# KiCad board hologram v3.kicad_pcb (continued)
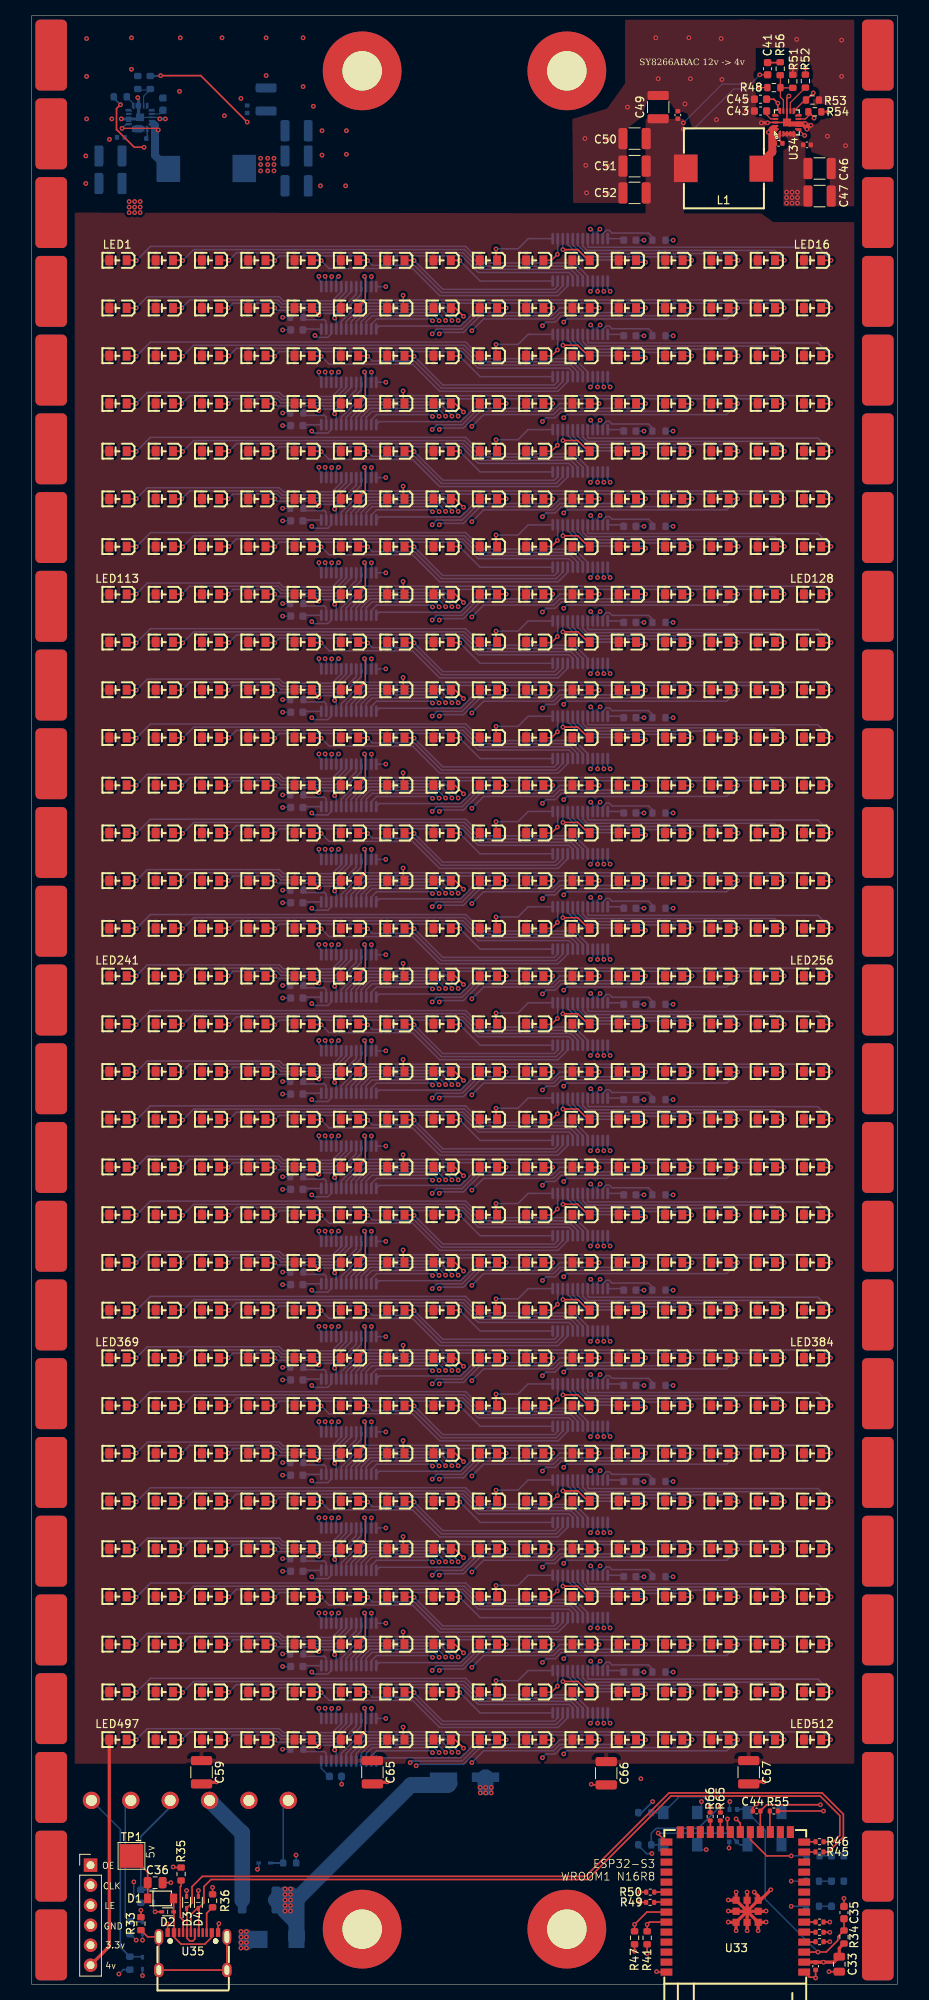
[diagram p0: board, top side]
## Placement (name value [footprint] x y rotation side) (continued)
LED252  0805G (Green)  [LED0805-RD-flipped]  75.59 128.03 0 top
LED253  0805G (Green)  [LED0805-RD-flipped]  81.47 128.03 0 top
LED254  0805G (Green)  [LED0805-RD-flipped]  87.35 128.03 0 top
LED255  0805G (Green)  [LED0805-RD-flipped]  93.24 128.03 0 top
LED256  0805G (Green)  [LED0805-RD-flipped]  99.12 128.03 0 top
LED257  0805G (Green)  [LED0805-RD-flipped]  10.88 121.97 0 top
LED258  0805G (Green)  [LED0805-RD-flipped]  16.76 121.97 0 top
LED259  0805G (Green)  [LED0805-RD-flipped]  22.65 121.97 0 top
LED260  0805G (Green)  [LED0805-RD-flipped]  28.53 121.97 0 top
LED261  0805G (Green)  [LED0805-RD-flipped]  34.41 121.97 0 top
LED262  0805G (Green)  [LED0805-RD-flipped]  40.29 121.97 0 top
LED263  0805G (Green)  [LED0805-RD-flipped]  46.18 121.97 0 top
LED264  0805G (Green)  [LED0805-RD-flipped]  52.06 121.97 0 top
LED265  0805G (Green)  [LED0805-RD-flipped]  57.94 121.97 0 top
LED266  0805G (Green)  [LED0805-RD-flipped]  63.82 121.97 0 top
LED267  0805G (Green)  [LED0805-RD-flipped]  69.71 121.97 0 top
LED268  0805G (Green)  [LED0805-RD-flipped]  75.59 121.97 0 top
LED269  0805G (Green)  [LED0805-RD-flipped]  81.47 121.97 0 top
LED270  0805G (Green)  [LED0805-RD-flipped]  87.35 121.97 0 top
LED271  0805G (Green)  [LED0805-RD-flipped]  93.24 121.97 0 top
LED272  0805G (Green)  [LED0805-RD-flipped]  99.12 121.97 0 top
LED273  0805G (Green)  [LED0805-RD-flipped]  10.88 115.91 0 top
LED274  0805G (Green)  [LED0805-RD-flipped]  16.76 115.91 0 top
LED275  0805G (Green)  [LED0805-RD-flipped]  22.65 115.91 0 top
LED276  0805G (Green)  [LED0805-RD-flipped]  28.53 115.91 0 top
LED277  0805G (Green)  [LED0805-RD-flipped]  34.41 115.91 0 top
LED278  0805G (Green)  [LED0805-RD-flipped]  40.29 115.91 0 top
LED279  0805G (Green)  [LED0805-RD-flipped]  46.18 115.91 0 top
LED280  0805G (Green)  [LED0805-RD-flipped]  52.06 115.91 0 top
LED281  0805G (Green)  [LED0805-RD-flipped]  57.94 115.91 0 top
LED282  0805G (Green)  [LED0805-RD-flipped]  63.82 115.91 0 top
LED283  0805G (Green)  [LED0805-RD-flipped]  69.71 115.91 0 top
LED284  0805G (Green)  [LED0805-RD-flipped]  75.59 115.91 0 top
LED285  0805G (Green)  [LED0805-RD-flipped]  81.47 115.91 0 top
LED286  0805G (Green)  [LED0805-RD-flipped]  87.35 115.91 0 top
LED287  0805G (Green)  [LED0805-RD-flipped]  93.24 115.91 0 top
LED288  0805G (Green)  [LED0805-RD-flipped]  99.12 115.91 0 top
LED289  0805G (Green)  [LED0805-RD-flipped]  10.88 109.85 0 top
LED290  0805G (Green)  [LED0805-RD-flipped]  16.76 109.85 0 top
LED291  0805G (Green)  [LED0805-RD-flipped]  22.65 109.85 0 top
LED292  0805G (Green)  [LED0805-RD-flipped]  28.53 109.85 0 top
LED293  0805G (Green)  [LED0805-RD-flipped]  34.41 109.85 0 top
LED294  0805G (Green)  [LED0805-RD-flipped]  40.29 109.85 0 top
LED295  0805G (Green)  [LED0805-RD-flipped]  46.18 109.85 0 top
LED296  0805G (Green)  [LED0805-RD-flipped]  52.06 109.85 0 top
LED297  0805G (Green)  [LED0805-RD-flipped]  57.94 109.85 0 top
LED298  0805G (Green)  [LED0805-RD-flipped]  63.82 109.85 0 top
LED299  0805G (Green)  [LED0805-RD-flipped]  69.71 109.85 0 top
LED300  0805G (Green)  [LED0805-RD-flipped]  75.59 109.85 0 top
LED301  0805G (Green)  [LED0805-RD-flipped]  81.47 109.85 0 top
LED302  0805G (Green)  [LED0805-RD-flipped]  87.35 109.85 0 top
LED303  0805G (Green)  [LED0805-RD-flipped]  93.24 109.85 0 top
LED304  0805G (Green)  [LED0805-RD-flipped]  99.12 109.85 0 top
LED305  0805G (Green)  [LED0805-RD-flipped]  10.88 103.79 0 top
LED306  0805G (Green)  [LED0805-RD-flipped]  16.76 103.79 0 top
LED307  0805G (Green)  [LED0805-RD-flipped]  22.65 103.79 0 top
LED308  0805G (Green)  [LED0805-RD-flipped]  28.53 103.79 0 top
LED309  0805G (Green)  [LED0805-RD-flipped]  34.41 103.79 0 top
LED310  0805G (Green)  [LED0805-RD-flipped]  40.29 103.79 0 top
LED311  0805G (Green)  [LED0805-RD-flipped]  46.18 103.79 0 top
LED312  0805G (Green)  [LED0805-RD-flipped]  52.06 103.79 0 top
LED313  0805G (Green)  [LED0805-RD-flipped]  57.94 103.79 0 top
LED314  0805G (Green)  [LED0805-RD-flipped]  63.82 103.79 0 top
LED315  0805G (Green)  [LED0805-RD-flipped]  69.71 103.79 0 top
LED316  0805G (Green)  [LED0805-RD-flipped]  75.59 103.79 0 top
LED317  0805G (Green)  [LED0805-RD-flipped]  81.47 103.79 0 top
LED318  0805G (Green)  [LED0805-RD-flipped]  87.35 103.79 0 top
LED319  0805G (Green)  [LED0805-RD-flipped]  93.24 103.79 0 top
LED320  0805G (Green)  [LED0805-RD-flipped]  99.12 103.79 0 top
LED321  0805G (Green)  [LED0805-RD-flipped]  10.88 97.73 0 top
LED322  0805G (Green)  [LED0805-RD-flipped]  16.76 97.73 0 top
LED323  0805G (Green)  [LED0805-RD-flipped]  22.65 97.73 0 top
LED324  0805G (Green)  [LED0805-RD-flipped]  28.53 97.73 0 top
LED325  0805G (Green)  [LED0805-RD-flipped]  34.41 97.73 0 top
LED326  0805G (Green)  [LED0805-RD-flipped]  40.29 97.73 0 top
LED327  0805G (Green)  [LED0805-RD-flipped]  46.18 97.73 0 top
LED328  0805G (Green)  [LED0805-RD-flipped]  52.06 97.73 0 top
LED329  0805G (Green)  [LED0805-RD-flipped]  57.94 97.73 0 top
LED330  0805G (Green)  [LED0805-RD-flipped]  63.82 97.73 0 top
LED331  0805G (Green)  [LED0805-RD-flipped]  69.71 97.73 0 top
LED332  0805G (Green)  [LED0805-RD-flipped]  75.59 97.73 0 top
LED333  0805G (Green)  [LED0805-RD-flipped]  81.47 97.73 0 top
LED334  0805G (Green)  [LED0805-RD-flipped]  87.35 97.73 0 top
LED335  0805G (Green)  [LED0805-RD-flipped]  93.24 97.73 0 top
LED336  0805G (Green)  [LED0805-RD-flipped]  99.12 97.73 0 top
LED337  0805G (Green)  [LED0805-RD-flipped]  10.88 91.67 0 top
LED338  0805G (Green)  [LED0805-RD-flipped]  16.76 91.67 0 top
LED339  0805G (Green)  [LED0805-RD-flipped]  22.65 91.67 0 top
LED340  0805G (Green)  [LED0805-RD-flipped]  28.53 91.67 0 top
LED341  0805G (Green)  [LED0805-RD-flipped]  34.41 91.67 0 top
LED342  0805G (Green)  [LED0805-RD-flipped]  40.29 91.67 0 top
LED343  0805G (Green)  [LED0805-RD-flipped]  46.18 91.67 0 top
LED344  0805G (Green)  [LED0805-RD-flipped]  52.06 91.67 0 top
LED345  0805G (Green)  [LED0805-RD-flipped]  57.94 91.67 0 top
LED346  0805G (Green)  [LED0805-RD-flipped]  63.82 91.67 0 top
LED347  0805G (Green)  [LED0805-RD-flipped]  69.71 91.67 0 top
LED348  0805G (Green)  [LED0805-RD-flipped]  75.59 91.67 0 top
LED349  0805G (Green)  [LED0805-RD-flipped]  81.47 91.67 0 top
LED350  0805G (Green)  [LED0805-RD-flipped]  87.35 91.67 0 top
LED351  0805G (Green)  [LED0805-RD-flipped]  93.24 91.67 0 top
LED352  0805G (Green)  [LED0805-RD-flipped]  99.12 91.67 0 top
LED353  0805G (Green)  [LED0805-RD-flipped]  10.88 85.61 0 top
LED354  0805G (Green)  [LED0805-RD-flipped]  16.76 85.61 0 top
LED355  0805G (Green)  [LED0805-RD-flipped]  22.65 85.61 0 top
LED356  0805G (Green)  [LED0805-RD-flipped]  28.53 85.61 0 top
LED357  0805G (Green)  [LED0805-RD-flipped]  34.41 85.61 0 top
LED358  0805G (Green)  [LED0805-RD-flipped]  40.29 85.61 0 top
LED359  0805G (Green)  [LED0805-RD-flipped]  46.18 85.61 0 top
LED360  0805G (Green)  [LED0805-RD-flipped]  52.06 85.61 0 top
LED361  0805G (Green)  [LED0805-RD-flipped]  57.94 85.61 0 top
LED362  0805G (Green)  [LED0805-RD-flipped]  63.82 85.61 0 top
LED363  0805G (Green)  [LED0805-RD-flipped]  69.71 85.61 0 top
LED364  0805G (Green)  [LED0805-RD-flipped]  75.59 85.61 0 top
LED365  0805G (Green)  [LED0805-RD-flipped]  81.47 85.61 0 top
LED366  0805G (Green)  [LED0805-RD-flipped]  87.35 85.61 0 top
LED367  0805G (Green)  [LED0805-RD-flipped]  93.24 85.61 0 top
LED368  0805G (Green)  [LED0805-RD-flipped]  99.12 85.61 0 top
LED369  0805G (Green)  [LED0805-RD-flipped]  10.88 79.55 0 top
LED370  0805G (Green)  [LED0805-RD-flipped]  16.76 79.55 0 top
LED371  0805G (Green)  [LED0805-RD-flipped]  22.65 79.55 0 top
LED372  0805G (Green)  [LED0805-RD-flipped]  28.53 79.55 0 top
LED373  0805G (Green)  [LED0805-RD-flipped]  34.41 79.55 0 top
LED374  0805G (Green)  [LED0805-RD-flipped]  40.29 79.55 0 top
LED375  0805G (Green)  [LED0805-RD-flipped]  46.18 79.55 0 top
LED376  0805G (Green)  [LED0805-RD-flipped]  52.06 79.55 0 top
LED377  0805G (Green)  [LED0805-RD-flipped]  57.94 79.55 0 top
LED378  0805G (Green)  [LED0805-RD-flipped]  63.82 79.55 0 top
LED379  0805G (Green)  [LED0805-RD-flipped]  69.71 79.55 0 top
LED380  0805G (Green)  [LED0805-RD-flipped]  75.59 79.55 0 top
LED381  0805G (Green)  [LED0805-RD-flipped]  81.47 79.55 0 top
LED382  0805G (Green)  [LED0805-RD-flipped]  87.35 79.55 0 top
LED383  0805G (Green)  [LED0805-RD-flipped]  93.24 79.55 0 top
LED384  0805G (Green)  [LED0805-RD-flipped]  99.12 79.55 0 top
LED385  0805G (Green)  [LED0805-RD-flipped]  10.88 73.48 0 top
LED386  0805G (Green)  [LED0805-RD-flipped]  16.76 73.48 0 top
LED387  0805G (Green)  [LED0805-RD-flipped]  22.65 73.48 0 top
LED388  0805G (Green)  [LED0805-RD-flipped]  28.53 73.48 0 top
LED389  0805G (Green)  [LED0805-RD-flipped]  34.41 73.48 0 top
LED390  0805G (Green)  [LED0805-RD-flipped]  40.29 73.48 0 top
LED391  0805G (Green)  [LED0805-RD-flipped]  46.18 73.48 0 top
LED392  0805G (Green)  [LED0805-RD-flipped]  52.06 73.48 0 top
LED393  0805G (Green)  [LED0805-RD-flipped]  57.94 73.48 0 top
LED394  0805G (Green)  [LED0805-RD-flipped]  63.82 73.48 0 top
LED395  0805G (Green)  [LED0805-RD-flipped]  69.71 73.48 0 top
LED396  0805G (Green)  [LED0805-RD-flipped]  75.59 73.48 0 top
LED397  0805G (Green)  [LED0805-RD-flipped]  81.47 73.48 0 top
LED398  0805G (Green)  [LED0805-RD-flipped]  87.35 73.48 0 top
LED399  0805G (Green)  [LED0805-RD-flipped]  93.24 73.48 0 top
LED400  0805G (Green)  [LED0805-RD-flipped]  99.12 73.48 0 top
LED401  0805G (Green)  [LED0805-RD-flipped]  10.88 67.42 0 top
LED402  0805G (Green)  [LED0805-RD-flipped]  16.76 67.42 0 top
LED403  0805G (Green)  [LED0805-RD-flipped]  22.65 67.42 0 top
LED404  0805G (Green)  [LED0805-RD-flipped]  28.53 67.42 0 top
LED405  0805G (Green)  [LED0805-RD-flipped]  34.41 67.42 0 top
LED406  0805G (Green)  [LED0805-RD-flipped]  40.29 67.42 0 top
LED407  0805G (Green)  [LED0805-RD-flipped]  46.18 67.42 0 top
LED408  0805G (Green)  [LED0805-RD-flipped]  52.06 67.42 0 top
LED409  0805G (Green)  [LED0805-RD-flipped]  57.94 67.42 0 top
LED410  0805G (Green)  [LED0805-RD-flipped]  63.82 67.42 0 top
LED411  0805G (Green)  [LED0805-RD-flipped]  69.71 67.42 0 top
LED412  0805G (Green)  [LED0805-RD-flipped]  75.59 67.42 0 top
LED413  0805G (Green)  [LED0805-RD-flipped]  81.47 67.42 0 top
LED414  0805G (Green)  [LED0805-RD-flipped]  87.35 67.42 0 top
LED415  0805G (Green)  [LED0805-RD-flipped]  93.24 67.42 0 top
LED416  0805G (Green)  [LED0805-RD-flipped]  99.12 67.42 0 top
LED417  0805G (Green)  [LED0805-RD-flipped]  10.88 61.36 0 top
LED418  0805G (Green)  [LED0805-RD-flipped]  16.76 61.36 0 top
LED419  0805G (Green)  [LED0805-RD-flipped]  22.65 61.36 0 top
LED420  0805G (Green)  [LED0805-RD-flipped]  28.53 61.36 0 top
LED421  0805G (Green)  [LED0805-RD-flipped]  34.41 61.36 0 top
LED422  0805G (Green)  [LED0805-RD-flipped]  40.29 61.36 0 top
LED423  0805G (Green)  [LED0805-RD-flipped]  46.18 61.36 0 top
LED424  0805G (Green)  [LED0805-RD-flipped]  52.06 61.36 0 top
LED425  0805G (Green)  [LED0805-RD-flipped]  57.94 61.36 0 top
LED426  0805G (Green)  [LED0805-RD-flipped]  63.82 61.36 0 top
LED427  0805G (Green)  [LED0805-RD-flipped]  69.71 61.36 0 top
LED428  0805G (Green)  [LED0805-RD-flipped]  75.59 61.36 0 top
LED429  0805G (Green)  [LED0805-RD-flipped]  81.47 61.36 0 top
LED430  0805G (Green)  [LED0805-RD-flipped]  87.35 61.36 0 top
LED431  0805G (Green)  [LED0805-RD-flipped]  93.24 61.36 0 top
LED432  0805G (Green)  [LED0805-RD-flipped]  99.12 61.36 0 top
LED433  0805G (Green)  [LED0805-RD-flipped]  10.88 55.3 0 top
LED434  0805G (Green)  [LED0805-RD-flipped]  16.76 55.3 0 top
LED435  0805G (Green)  [LED0805-RD-flipped]  22.65 55.3 0 top
LED436  0805G (Green)  [LED0805-RD-flipped]  28.53 55.3 0 top
LED437  0805G (Green)  [LED0805-RD-flipped]  34.41 55.3 0 top
LED438  0805G (Green)  [LED0805-RD-flipped]  40.29 55.3 0 top
LED439  0805G (Green)  [LED0805-RD-flipped]  46.18 55.3 0 top
LED440  0805G (Green)  [LED0805-RD-flipped]  52.06 55.3 0 top
LED441  0805G (Green)  [LED0805-RD-flipped]  57.94 55.3 0 top
LED442  0805G (Green)  [LED0805-RD-flipped]  63.82 55.3 0 top
LED443  0805G (Green)  [LED0805-RD-flipped]  69.71 55.3 0 top
LED444  0805G (Green)  [LED0805-RD-flipped]  75.59 55.3 0 top
LED445  0805G (Green)  [LED0805-RD-flipped]  81.47 55.3 0 top
LED446  0805G (Green)  [LED0805-RD-flipped]  87.35 55.3 0 top
LED447  0805G (Green)  [LED0805-RD-flipped]  93.24 55.3 0 top
LED448  0805G (Green)  [LED0805-RD-flipped]  99.12 55.3 0 top
LED449  0805G (Green)  [LED0805-RD-flipped]  10.88 49.24 0 top
LED450  0805G (Green)  [LED0805-RD-flipped]  16.76 49.24 0 top
LED451  0805G (Green)  [LED0805-RD-flipped]  22.65 49.24 0 top
LED452  0805G (Green)  [LED0805-RD-flipped]  28.53 49.24 0 top
LED453  0805G (Green)  [LED0805-RD-flipped]  34.41 49.24 0 top
LED454  0805G (Green)  [LED0805-RD-flipped]  40.29 49.24 0 top
LED455  0805G (Green)  [LED0805-RD-flipped]  46.18 49.24 0 top
LED456  0805G (Green)  [LED0805-RD-flipped]  52.06 49.24 0 top
LED457  0805G (Green)  [LED0805-RD-flipped]  57.94 49.24 0 top
LED458  0805G (Green)  [LED0805-RD-flipped]  63.82 49.24 0 top
LED459  0805G (Green)  [LED0805-RD-flipped]  69.71 49.24 0 top
LED460  0805G (Green)  [LED0805-RD-flipped]  75.59 49.24 0 top
LED461  0805G (Green)  [LED0805-RD-flipped]  81.47 49.24 0 top
LED462  0805G (Green)  [LED0805-RD-flipped]  87.35 49.24 0 top
LED463  0805G (Green)  [LED0805-RD-flipped]  93.24 49.24 0 top
LED464  0805G (Green)  [LED0805-RD-flipped]  99.12 49.24 0 top
LED465  0805G (Green)  [LED0805-RD-flipped]  10.88 43.18 0 top
LED466  0805G (Green)  [LED0805-RD-flipped]  16.76 43.18 0 top
LED467  0805G (Green)  [LED0805-RD-flipped]  22.65 43.18 0 top
LED468  0805G (Green)  [LED0805-RD-flipped]  28.53 43.18 0 top
LED469  0805G (Green)  [LED0805-RD-flipped]  34.41 43.18 0 top
LED470  0805G (Green)  [LED0805-RD-flipped]  40.29 43.18 0 top
LED471  0805G (Green)  [LED0805-RD-flipped]  46.18 43.18 0 top
LED472  0805G (Green)  [LED0805-RD-flipped]  52.06 43.18 0 top
LED473  0805G (Green)  [LED0805-RD-flipped]  57.94 43.18 0 top
LED474  0805G (Green)  [LED0805-RD-flipped]  63.82 43.18 0 top
LED475  0805G (Green)  [LED0805-RD-flipped]  69.71 43.18 0 top
LED476  0805G (Green)  [LED0805-RD-flipped]  75.59 43.18 0 top
LED477  0805G (Green)  [LED0805-RD-flipped]  81.47 43.18 0 top
LED478  0805G (Green)  [LED0805-RD-flipped]  87.35 43.18 0 top
LED479  0805G (Green)  [LED0805-RD-flipped]  93.24 43.18 0 top
LED480  0805G (Green)  [LED0805-RD-flipped]  99.12 43.18 0 top
LED481  0805G (Green)  [LED0805-RD-flipped]  10.88 37.12 0 top
LED482  0805G (Green)  [LED0805-RD-flipped]  16.76 37.12 0 top
LED483  0805G (Green)  [LED0805-RD-flipped]  22.65 37.12 0 top
LED484  0805G (Green)  [LED0805-RD-flipped]  28.53 37.12 0 top
LED485  0805G (Green)  [LED0805-RD-flipped]  34.41 37.12 0 top
LED486  0805G (Green)  [LED0805-RD-flipped]  40.29 37.12 0 top
LED487  0805G (Green)  [LED0805-RD-flipped]  46.18 37.12 0 top
LED488  0805G (Green)  [LED0805-RD-flipped]  52.06 37.12 0 top
LED489  0805G (Green)  [LED0805-RD-flipped]  57.94 37.12 0 top
LED490  0805G (Green)  [LED0805-RD-flipped]  63.82 37.12 0 top
LED491  0805G (Green)  [LED0805-RD-flipped]  69.71 37.12 0 top
LED492  0805G (Green)  [LED0805-RD-flipped]  75.59 37.12 0 top
LED493  0805G (Green)  [LED0805-RD-flipped]  81.47 37.12 0 top
LED494  0805G (Green)  [LED0805-RD-flipped]  87.35 37.12 0 top
LED495  0805G (Green)  [LED0805-RD-flipped]  93.24 37.12 0 top
LED496  0805G (Green)  [LED0805-RD-flipped]  99.12 37.12 0 top
LED497  0805G (Green)  [LED0805-RD-flipped]  10.88 31.06 0 top
LED498  0805G (Green)  [LED0805-RD-flipped]  16.76 31.06 0 top
LED499  0805G (Green)  [LED0805-RD-flipped]  22.65 31.06 0 top
LED500  0805G (Green)  [LED0805-RD-flipped]  28.53 31.06 0 top
LED501  0805G (Green)  [LED0805-RD-flipped]  34.41 31.06 0 top
LED502  0805G (Green)  [LED0805-RD-flipped]  40.29 31.06 0 top
LED503  0805G (Green)  [LED0805-RD-flipped]  46.18 31.06 0 top
LED504  0805G (Green)  [LED0805-RD-flipped]  52.06 31.06 0 top
LED505  0805G (Green)  [LED0805-RD-flipped]  57.94 31.06 0 top
LED506  0805G (Green)  [LED0805-RD-flipped]  63.82 31.06 0 top
LED507  0805G (Green)  [LED0805-RD-flipped]  69.71 31.06 0 top
LED508  0805G (Green)  [LED0805-RD-flipped]  75.59 31.06 0 top
LED509  0805G (Green)  [LED0805-RD-flipped]  81.47 31.06 0 top
LED510  0805G (Green)  [LED0805-RD-flipped]  87.35 31.06 0 top
LED511  0805G (Green)  [LED0805-RD-flipped]  93.24 31.06 0 top
LED512  0805G (Green)  [LED0805-RD-flipped]  99.12 31.06 0 top
R1  1.65k 0.25%  [R_0603_1608Metric]  79.7 221.5 180 bottom
R2  R_US  [R_0603_1608Metric]  33.7 211.7 0 bottom
R3  R_US  [R_0603_1608Metric]  79.7 209.35 180 bottom
R4  R_US  [R_0603_1608Metric]  33.7 199.55 0 bottom
R5  R_US  [R_0603_1608Metric]  79.7 197.25 180 bottom
R6  R_US  [R_0603_1608Metric]  33.7 187.45 0 bottom
R7  R_US  [R_0603_1608Metric]  79.7 185.15 180 bottom
R8  R_US  [R_0603_1608Metric]  33.7 175.35 0 bottom
R9  R_US  [R_0603_1608Metric]  79.7 172.95 180 bottom
R10  R_US  [R_0603_1608Metric]  33.7 163.15 0 bottom
R11  R_US  [R_0603_1608Metric]  79.7 160.85 180 bottom
R12  R_US  [R_0603_1608Metric]  33.7 151.05 0 bottom
R13  R_US  [R_0603_1608Metric]  79.7 148.75 180 bottom
R14  R_US  [R_0603_1608Metric]  33.7 138.95 0 bottom
R15  R_US  [R_0603_1608Metric]  79.7 136.65 180 bottom
R16  R_US  [R_0603_1608Metric]  33.7 126.85 0 bottom
R17  R_US  [R_0603_1608Metric]  79.7 124.45 180 bottom
R18  R_US  [R_0603_1608Metric]  33.7 114.65 0 bottom
R19  R_US  [R_0603_1608Metric]  79.7 112.35 180 bottom
R20  R_US  [R_0603_1608Metric]  33.7 102.55 0 bottom
R21  R_US  [R_0603_1608Metric]  79.7 100.25 180 bottom
R22  R_US  [R_0603_1608Metric]  33.7 90.45 0 bottom
R23  R_US  [R_0603_1608Metric]  79.7 88.15 180 bottom
R24  R_US  [R_0603_1608Metric]  33.7 78.35 0 bottom
R25  R_US  [R_0603_1608Metric]  79.7 76.05 180 bottom
R26  R_US  [R_0603_1608Metric]  33.7 66.25 0 bottom
R27  R_US  [R_0603_1608Metric]  79.7 63.85 180 bottom
R28  R_US  [R_0603_1608Metric]  33.7 54.05 0 bottom
R29  R_US  [R_0603_1608Metric]  79.7 51.75 180 bottom
R30  R_US  [R_0603_1608Metric]  33.7 41.95 0 bottom
R31  R_US  [R_0603_1608Metric]  79.7 39.65 180 bottom
R32  R_US  [R_0603_1608Metric]  33.7 29.85 0 bottom
R33  1M  [R_0603_1608Metric]  13.9 7.7 90 top
R34  10k  [R_0603_1608Metric]  103.2 6 90 top
R35  5.11k  [R_0603_1608Metric]  19 14 90 top
R36  5.11k  [R_0603_1608Metric]  23 10.6 90 top
R37  2.2k  [R_0603_1608Metric]  13.9 11.18 270 bottom
R38  2.2k  [R_0603_1608Metric]  12.5 7.18 270 bottom
R39  2.2k  [R_0603_1608Metric]  12.5 2.68 270 bottom
R40  100k  [R_0603_1608Metric]  32.8 15.4 180 bottom
R41  10k  [R_0603_1608Metric]  78.2 5.9 90 top
R42  33  [R_0402_1005Metric]  100.1 5.4 0 top
R43  33  [R_0402_1005Metric]  100.1 6.6 0 top
R44  33  [R_0402_1005Metric]  100.1 7.9 0 top
R45  33  [R_0402_1005Metric]  100.09 16.8 0 top
R46  33  [R_0402_1005Metric]  100.1 18.1 0 top
R47  10k  [R_0603_1608Metric]  76.6 5.9 90 top
R48  75k  [R_0603_1608Metric]  94.3 240.88 0 top
R49  33  [R_0402_1005Metric]  78.58 10.4 0 top
R50  33  [R_0402_1005Metric]  78.59 11.7 0 top
R51  13k  [R_0603_1608Metric]  96.7 241.68 90 top
R52  100k  [R_0603_1608Metric]  98.3 241.7 270 top
R53  100k  [R_0603_1608Metric]  99.2 239.3 0 top
R54  47k  [R_0603_1608Metric]  99.5 237.8 180 top
R55  33  [R_0402_1005Metric]  94.3 22 0 top
R56  dnp  [R_0603_1608Metric]  95.1 243.28 270 top  (not fitted)
R57  1.5k  [R_0603_1608Metric]  99.26 16.3 0 bottom
R58  100k  [R_0603_1608Metric]  11.28 239.7 0 bottom
R59  1.2k  [R_0603_1608Metric]  99.2 13.1 0 bottom
R60  330  [R_0603_1608Metric]  99.2 9.9 0 bottom
R61  45k  [R_0603_1608Metric]  15.1 241.53 270 bottom
R62  10k  [R_0603_1608Metric]  13.5 241.53 90 bottom
R63  47k  [R_0603_1608Metric]  77.9 21.8 180 bottom
R64  47k  [R_0603_1608Metric]  77.9 17.7 0 bottom
R65  33  [R_0402_1005Metric]  87.5 21.3 270 top
R66  33  [R_0402_1005Metric]  86.2 21.3 90 top
REF**  -  [solderpad 4x9mm x25 row]  107.5 249.5 0 top
REF**#2  -  [solderpad 4x9mm x25 row]  2.5 249.5 0 top
REF**#3  -  [solderpad 4x9mm x25 row]  2.5 249.5 180 bottom
REF**#4  -  [solderpad 4x9mm x25 row]  107.5 249.5 180 bottom
SW1  SW_Reset  [KEY-SMD_L4.0-W3.0-LS4.9-1]  93.1 21.8 180 bottom
SW2  SW_Boot  [KEY-SMD_L4.0-W3.0-LS4.9-1]  93.1 17.7 180 bottom
SW3  SW_OPT1  [KEY-SMD_L4.0-W3.0-LS4.9-1]  82.4 21.8 0 bottom
SW4  SW_OPT2  [KEY-SMD_L4.0-W3.0-LS4.9-1]  82.4 17.7 0 bottom
TP1  TEST_USB5V  [TestPoint_Pad_3.0x3.0mm]  12.7 16.3 0 top
U1  SM16106SC  [QSOP-24_L8.7-W4.0-P0.64-LS6.0-BL]  69.7 219 180 bottom
U2  SM16106SC  [QSOP-24_L8.7-W4.0-P0.64-LS6.0-BL]  40.3 212.9 0 bottom
U3  SM16106SC  [QSOP-24_L8.7-W4.0-P0.64-LS6.0-BL]  69.7 206.85 180 bottom
U4  SM16106SC  [QSOP-24_L8.7-W4.0-P0.64-LS6.0-BL]  40.3 200.75 0 bottom
U5  SM16106SC  [QSOP-24_L8.7-W4.0-P0.64-LS6.0-BL]  69.7 194.75 180 bottom
U6  SM16106SC  [QSOP-24_L8.7-W4.0-P0.64-LS6.0-BL]  40.3 188.65 0 bottom
U7  SM16106SC  [QSOP-24_L8.7-W4.0-P0.64-LS6.0-BL]  69.7 182.65 180 bottom
U8  SM16106SC  [QSOP-24_L8.7-W4.0-P0.64-LS6.0-BL]  40.3 176.55 0 bottom
U9  SM16106SC  [QSOP-24_L8.7-W4.0-P0.64-LS6.0-BL]  69.7 170.45 180 bottom
U10  SM16106SC  [QSOP-24_L8.7-W4.0-P0.64-LS6.0-BL]  40.3 164.35 0 bottom
U11  SM16106SC  [QSOP-24_L8.7-W4.0-P0.64-LS6.0-BL]  69.7 158.35 180 bottom
U12  SM16106SC  [QSOP-24_L8.7-W4.0-P0.64-LS6.0-BL]  40.3 152.25 0 bottom
U13  SM16106SC  [QSOP-24_L8.7-W4.0-P0.64-LS6.0-BL]  69.7 146.25 180 bottom
U14  SM16106SC  [QSOP-24_L8.7-W4.0-P0.64-LS6.0-BL]  40.3 140.15 0 bottom
U15  SM16106SC  [QSOP-24_L8.7-W4.0-P0.64-LS6.0-BL]  69.7 134.15 180 bottom
U16  SM16106SC  [QSOP-24_L8.7-W4.0-P0.64-LS6.0-BL]  40.3 128.05 0 bottom
U17  SM16106SC  [QSOP-24_L8.7-W4.0-P0.64-LS6.0-BL]  69.7 121.95 180 bottom
U18  SM16106SC  [QSOP-24_L8.7-W4.0-P0.64-LS6.0-BL]  40.3 115.85 0 bottom
U19  SM16106SC  [QSOP-24_L8.7-W4.0-P0.64-LS6.0-BL]  69.7 109.85 180 bottom
U20  SM16106SC  [QSOP-24_L8.7-W4.0-P0.64-LS6.0-BL]  40.3 103.75 0 bottom
U21  SM16106SC  [QSOP-24_L8.7-W4.0-P0.64-LS6.0-BL]  69.7 97.75 180 bottom
U22  SM16106SC  [QSOP-24_L8.7-W4.0-P0.64-LS6.0-BL]  40.3 91.65 0 bottom
U23  SM16106SC  [QSOP-24_L8.7-W4.0-P0.64-LS6.0-BL]  69.7 85.65 180 bottom
U24  SM16106SC  [QSOP-24_L8.7-W4.0-P0.64-LS6.0-BL]  40.3 79.55 0 bottom
U25  SM16106SC  [QSOP-24_L8.7-W4.0-P0.64-LS6.0-BL]  69.7 73.55 180 bottom
U26  SM16106SC  [QSOP-24_L8.7-W4.0-P0.64-LS6.0-BL]  40.3 67.45 0 bottom
U27  SM16106SC  [QSOP-24_L8.7-W4.0-P0.64-LS6.0-BL]  69.7 61.35 180 bottom
U28  SM16106SC  [QSOP-24_L8.7-W4.0-P0.64-LS6.0-BL]  40.3 55.25 0 bottom
U29  SM16106SC  [QSOP-24_L8.7-W4.0-P0.64-LS6.0-BL]  69.7 49.25 180 bottom
U30  SM16106SC  [QSOP-24_L8.7-W4.0-P0.64-LS6.0-BL]  40.3 43.15 0 bottom
U31  SM16106SC  [QSOP-24_L8.7-W4.0-P0.64-LS6.0-BL]  69.7 37.15 180 bottom
U32  SM16106SC  [QSOP-24_L8.7-W4.0-P0.64-LS6.0-BL]  40.3 31.05 0 bottom
U33  ESP32-S3-WROOM-1(N16R8)  [WIRELM-SMD_ESP32-S3-WROOM-1]  89.4 10.44 180 top
U34  SY8286ARAC 12v->4v  [QFN-20_L3.0-W3.0-P0.45-BL-EP1.0]  95.95 236.45 0 top
U35  ~  [USB-C-SMD_TYPE-C-6PIN-2MD-073]  20.5 4.18 0 top
U36  SY8286ARAC 12v->3.3v  [QFN-20_L3.0-W3.0-P0.45-BL-EP1.0]  13.8 237.1 180 bottom

## Library data of the parts
C1-C47 C49-C57 C59-C67 = -: Description: Unpolarized capacitor, small symbol; ki_fp_filters: C_*
C48 = -: Description: Polarized capacitor, US symbol; LCSC Part: C46550465; ki_fp_filters: CP_*
D1 = -: Description: Diode; Sim.Device: D; Sim.Pins: 1=K 2=A; ki_fp_filters: TO-???* *_Diode_* *SingleDiode* D_*
D2-D4 = -: Description: Bidirectional transient-voltage-suppression diode; ki_fp_filters: TO-???* *_Diode_* *SingleDiode* D_*
D5-D8 = -: Datasheet: https://lcsc.com/product-detail/Diodes-ESD_LESD5Z5-0CT1G_C136167.html; LCSC Part: C136167
D9 = -: Datasheet: https://lcsc.com/product-detail/TVS_SMBJ13A_C10209.html; Description: Bidirectional transient-voltage-suppression diode; LCSC Part: C151252
D10-D12 = -: Description: Light emitting diode, small symbol; Sim.Pin: 1=K 2=A; ki_fp_filters: LED* LED_SMD:* LED_THT:*
F1 = -: Description: Resettable fuse, polymeric positive temperature coefficient, small symbol; LCSC Part: C47002391; ki_fp_filters: *polyfuse* *PTC*
H1-H4 = -: Description: Mounting Hole without connection; ki_fp_filters: MountingHole*
J1 = -: Description: Generic connector, single row, 01x06, script generated (kicad-library-utils/schlib/autogen/connector/); ki_fp_filters: Connector*:*_1x??_*
J2 = -: Description: Generic screw terminal, single row, 01x06, script generated (kicad-library-utils/schlib/autogen/connector/); ki_fp_filters: TerminalBlock*:*
L1 L2 = -: Description: Inductor; ki_fp_filters: Choke_* *Coil* Inductor_* L_*
LED1-LED512 = -: Description: Light emitting diode; LCSC Part: C2297; Sim.Pins: 1=K 2=A; ki_fp_filters: LED* LED_SMD:* LED_THT:*
R1-R32 = -: Description: Resistor, US symbol; ki_fp_filters: R_*
R33-R66 = -: Description: Resistor, small US symbol; ki_fp_filters: R_*
SW1 SW2 = -: Description: Push button switch, generic, two pins
SW3 SW4 = -: Description: Single Pole Single Throw (SPST) switch
TP1 = -: Description: test point; ki_fp_filters: Pin* Test*
U1-U32 = -: Datasheet: https://lcsc.com/product-detail/LED-Drivers_SM16106SC_C121618.html; LCSC Part: C121618
U33 = -: LCSC Part: C2913202
U34 U36 = -: Datasheet: https://lcsc.com/product-detail/DC-DC-Converters_Silergy_SY8286ARAC_SY8286ARAC_C178251.html; LCSC Part: C178251
U35 = -: LCSC Part: C2765186

## Footprints (pads in the part's own frame, mm; a bottom-side part is the same pattern mirrored in y, then rotated)
C_0402_1005Metric
  rrect 0.56x0.62 smd: 1(-0.48,0) 2(0.48,0)
C_0603_1608Metric
  rrect 0.9x0.95 smd: 1(-0.775,0) 2(0.775,0)
C_0805_2012Metric
  rrect 1x1.45 smd: 1(-0.95,0) 2(0.95,0)
C_1210_3225Metric
  rrect 1.15x2.7 smd: 1(-1.475,0) 2(1.475,0)
CAP-SMD_BD6.3-L6.6-W6.6-LS7.3-FD
  rect 3.5x1.2 smd: 1(-2.67,0) 2(2.67,0)
CONN-TH_6P-P5.00_MX128-5.0-06P-GN01-CU-Y-A
  round 2.2 hole 1.4: 1(-12.5,0) 2(-7.5,0) 3(-2.5,0) 4(2.5,0) 5(7.5,0) 6(12.5,0)
Fuse_1812_4532Metric
  rrect 1.125x3.4 smd: 1(-2.138,0) 2(2.138,0)
IND-SMD_L10.8-W10.0
  rect 3x3.3 smd: 1(-4.8,0.02)
  rect 3x3.5 smd: 2(4.8,-0.02)
KEY-SMD_L4.0-W3.0-LS4.9-1
  rect 1.3x1.7 smd: 1(-2.16,0) 2(2.16,0)
LED0805-RD-flipped
  rect 1x1.25 smd: 1(1.2,0) 2(-1,0)
LED_0603_1608Metric
  rrect 0.875x0.95 smd: 1(-0.787,0) 2(0.787,0)
MountingHole_5mm_Pad
  round 10 hole 5: 1(0,0)
PinHeader_1x06_P2.54mm_Vertical
  rect 1.7x1.7 hole 1: 1(0,0)
  round 1.7 hole 1: 2(0,-2.54) 3(0,-5.08) 4(0,-7.62) 5(0,-10.16) 6(0,-12.7)
QFN-20_L3.0-W3.0-P0.45-BL-EP1.0
  custom 0.35x0.81 smd: 1(-0.9,-1.46) 11(0.9,1.46) 15(-0.9,1.46)
  rect 0.25x0.7 smd: 2(-0.45,-1.45) 3(0,-1.45) 4(0.45,-1.45) 12(0.45,1.45) 13(0,1.45) 14(-0.45,1.45)
  custom 0.35x0.8 smd: 5(0.9,-1.46)
  custom 0.8x0.35 smd: 6(1.45,-0.9) 10(1.45,0.9) 16(-1.45,0.9) 20(-1.45,-0.9)
  rect 0.7x0.25 smd: 7(1.45,-0.45) 8(1.45,0) 9(1.45,0.45) 17(-1.45,0.45) 18(-1.45,0) 19(-1.45,-0.45)
  rect 1x1 smd: 21(0,0)
QSOP-24_L8.7-W4.0-P0.64-LS6.0-BL
  oval 0.36x1.5 smd: 1(-3.49,-2.69) 2(-2.86,-2.69) 3(-2.22,-2.69) 4(-1.59,-2.69) 5(-0.95,-2.69) 6(-0.32,-2.69) 7(0.32,-2.69) 8(0.95,-2.69) 9(1.59,-2.69) 10(2.22,-2.69) 11(2.86,-2.69) 12(3.49,-2.69) 13(3.49,2.69) 14(2.86,2.69) 15(2.22,2.69) 16(1.59,2.69) 17(0.95,2.69) 18(0.32,2.69) 19(-0.32,2.69) 20(-0.95,2.69) 21(-1.59,2.69) 22(-2.22,2.69) 23(-2.86,2.69) 24(-3.49,2.69)
R_0402_1005Metric
  rrect 0.54x0.64 smd: 1(-0.51,0) 2(0.51,0)
R_0603_1608Metric
  rrect 0.8x0.95 smd: 1(-0.825,0) 2(0.825,0)
SMB_L4.6-W3.6-LS5.3-RD
  rect 2.05x2.19 smd: 1(-2.36,0) 2(2.36,0)
SOD-123_L2.7-W1.6-LS3.7-RD
  rect 0.91x1.22 smd: 1(-1.64,0) 2(1.64,0)
SOD-523_L1.2-W0.8-LS1.6-BI
  rect 0.6x0.4 smd: 1(-0.75,0) 2(0.75,0)
solderpad 4x9mm x25 row
  rrect 4x9 smd: 1(0,-4.5) 1(0,-14.5) 1(0,-24.5) 1(0,-34.5) 1(0,-44.5) 1(0,-54.5) 1(0,-64.5) 1(0,-74.5) 1(0,-84.5) 1(0,-94.5) 1(0,-104.5) 1(0,-114.5) 1(0,-124.5) 1(0,-134.5) 1(0,-144.5) 1(0,-154.5) 1(0,-164.5) 1(0,-174.5) 1(0,-184.5) 1(0,-194.5) 1(0,-204.5) 1(0,-214.5) 1(0,-224.5) 1(0,-234.5) 1(0,-244.5)
TestPoint_Pad_3.0x3.0mm
  rect 3x3 smd: 1(0,0)
USB-C-SMD_TYPE-C-6PIN-2MD-073
  round 0.7 hole 0.7: (-2.89,1.3) (2.89,1.3)
  rect 0.55x1.1 smd: 1(-3.2,2.38) 2(-2.4,2.38) 11(2.4,2.38) 12(3.2,2.38)
  rect 0.3x1.1 smd: 3(-1.75,2.38) 4(-1.25,2.38) 5(-0.75,2.38) 6(-0.25,2.38) 7(0.25,2.38) 8(0.75,2.38) 9(1.25,2.38) 10(1.75,2.38)
  oval 1.1x2 hole 0.6x1.5: 13(-4.32,1.83) 14(4.32,1.83)
  oval 1.2x1.8 hole 0.6x1.2: 13(-4.32,-2.38) 14(4.32,-2.38)
WIRELM-SMD_ESP32-S3-WROOM-1
  rect 1.5x0.9 smd: 1(-8.75,8.89) 2(-8.75,7.62) 3(-8.75,6.35) 4(-8.75,5.08) 5(-8.75,3.81) 6(-8.75,2.54) 7(-8.75,1.27) 8(-8.75,0) 9(-8.75,-1.27) 10(-8.75,-2.54) 11(-8.75,-3.81) 12(-8.75,-5.08) 13(-8.75,-6.35) 14(-8.75,-7.62) 27(8.75,-7.62) 28(8.75,-6.35) 29(8.75,-5.08) 30(8.75,-3.81) 31(8.75,-2.54) 32(8.75,-1.27) 33(8.75,0) 34(8.75,1.27) 35(8.75,2.54) 36(8.75,3.81) 37(8.75,5.08) 38(8.75,6.35) 39(8.75,7.62) 40(8.75,8.89)
  rect 0.9x1.5 smd: 15(-6.99,-8.89) 16(-5.72,-8.89) 17(-4.45,-8.89) 18(-3.18,-8.89) 19(-1.91,-8.89) 20(-0.63,-8.89) 21(0.63,-8.89) 22(1.9,-8.89) 23(3.17,-8.89) 24(4.45,-8.89) 25(5.72,-8.89) 26(6.99,-8.86)
  rect 0.9x0.9 smd: 41(-2.9,2.57) 41(-2.9,1.17) 41(-2.9,-0.23) 41(-1.5,2.57) 41(-1.5,1.17) 41(-1.5,-0.23) 41(-0.1,2.57) 41(-0.1,1.17) 41(-0.1,-0.23)
